# Altium PCB Audio-Beamformer_V1.0.PcbDoc (part 5 of 11) (continued)
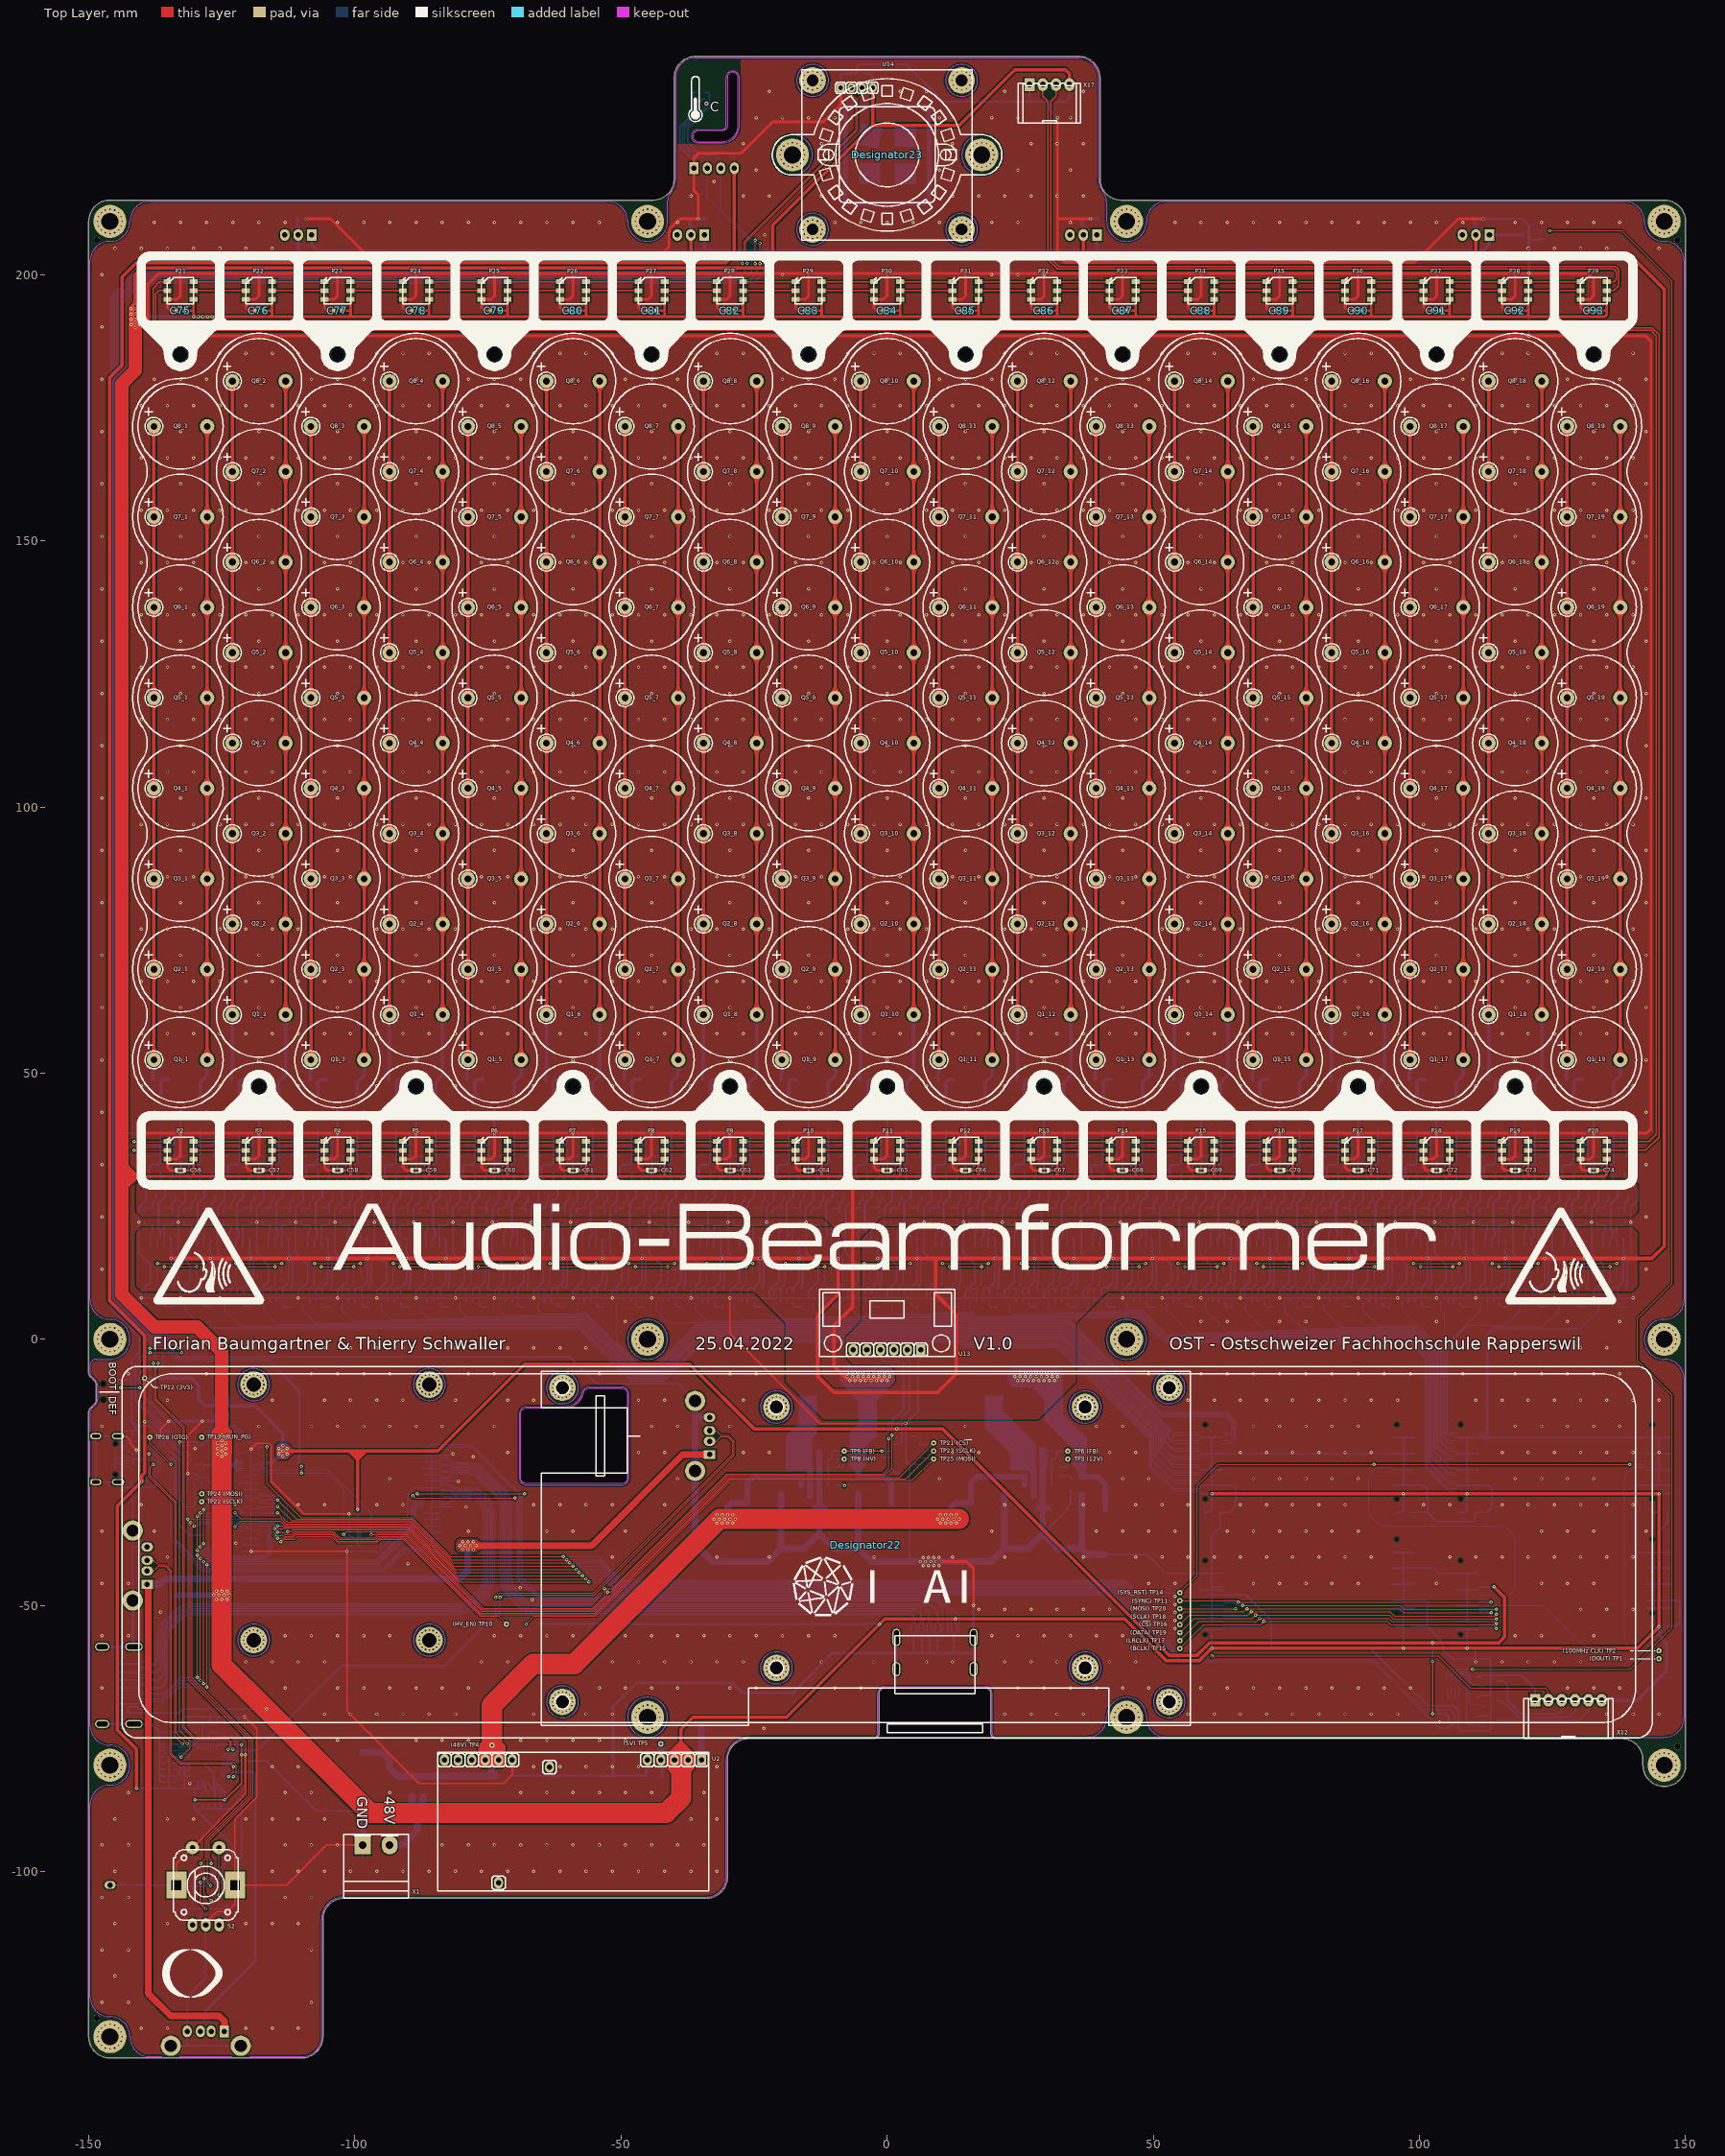
[diagram p0: Top Layer view]
## Nets (pads, with @x,y where several pads share a name; then routed paths per layer and width w, separated by ;. In a path a pad name is that pad's centre, name@x,y a point inside that pad or via, vN(x,y) a via of type N, cw(c..) or ccw(c..) an arc to the next point about the centre after c; other vN are vias at no path point) (continued)
  Bottom Layer w0.254: TP7.1@-146,-102.5 S2.6@-133.5,-102.5 -133.238,-102.762 C46.1@-130.5,-102.762 ; S1.3@-145.5,-7.6 -142,-7.6 ; -144.48,-68.5 X7.17@-140.74,-68.5 ; -144.48,-65.5 X7.11@-140.74,-65.5 ; -144.48,-64 X7.8@-140.74,-64 ; -144.48,-62.5 X7.5@-140.74,-62.5 ; -144.48,-61 X7.2@-140.74,-61 ; X8.A1B12@-143.8,-25.7 -144.085,-25.7 -144.258,-25.873 -144.258,-26.608 X8.G2@-144.47,-26.82 ; X8.B1A12@-143.8,-19.3 -144.085,-19.3 -144.258,-19.127 -144.258,-18.392 X8.G4@-144.47,-18.18 ; -141.8,-27.8 -137.9,-27.8 -137.538,-27.438 C33.1@-137.538,-26.7 -137.538,-25.962 -138,-25.5 U8.9@-138,-24.9 ; -141.8,-27.738 -141.862,-27.8 -143,-27.8 -143.98,-26.82 X8.G2@-144.47,-26.82 ; R27.2@-141.8,-18.438 -141.8,-17.262 R25.2@-141.862,-17.2 ; X7.SHD@-141.5,-72.25 -138.25,-72.25 -136.7,-73.8 -136.7,-76 ; D14.2@-141,-21.55 v1(-141,-20.8) ; -140.125,42.5 v1(-140.125,38.75) ; D13_1.A@-138.65,34.37 -140.125,34.37 ; U7_1.4@-138.349,12.044 -138.349,10.801 -140.125,9.025 v1(-140.125,7.75) ; U7_1.4@-138.342,12.051 -138.342,13.98 -140.561,16.199 -140.561,24.695 -139.231,26.025 -139.231,27.844 -140.125,28.738 -140.125,34.37 ; R22_1.1@-138.025,6.988 -138.025,7.731 ; C30_1.1@-136.825,6.988 -136.825,7.731 ; -136.7,-82 C39.1@-135.662,-82 ; -136.7,-80.8 R30.1@-135.662,-80.8 ; -136.7,-79.6 R28.1@-135.662,-79.6 ; -136.7,-78.4 C36.1@-135.662,-78.4 ; -136.7,-77.2 R29.1@-135.662,-77.2 ; -136.7,-73.762 -132.5,-73.762 ; U8.5@-136.5,-20.1 v1@-136.5,-18.5 ; v1(-136.5,-18.4) -138.6,-16.3 -141.1,-16.3 ; R31.1@-135.662,-83.2 -136.4,-83.2 -136.7,-82.9 -136.7,-76 ; C38.1@-135.662,-76 -136.7,-76 ; v1(-135,-15.4) -139.5,-10.9 -139.5,-8.9 -140.5,-7.9 -140.5,-6.6 -139.4,-5.5 -136.7,-5.5 -136.1,-4.9 -136.1,-2 -144.7,6.6 -144.7,195.3 -140.5,199.5 -26.6,199.5 -25.5,200.6 -25.5,202.8 ; X10.4@-134.57,-132.72 -131.5,-132.72 ; C29_1.1@-134.225,34.274 C29_1.1@-134.129,34.37 ; C32_1.2@-133.856,35.738 -133.856,34.643 C29_1.1@-134.129,34.37 ; v1@-132.75,42.5 v1(-132.75,38.75) -132.75,34.37 ; D8_1.A@-131.275,34.37 -132.75,34.37 ; R21_1.1@-130.65,6.988 -130.65,7.75 ; S2.5@-130.5,-95.5 -130.5,-97.1 -130.1,-97.5 C49.1@-128.762,-97.5 ; Q9.3@-129.65,-73.95 -129.838,-73.762 C44.2@-131.2,-73.762 -132.5,-73.762 ; C26_1.1@-129.45,6.988 -129.45,7.731 ; C48.1@-129,-107.762 -129,-108.8 S2.2@-128,-109.8 ; -128.975,-104.4 -130,-104.4 -130.5,-103.9 C46.1@-130.5,-102.762 ; C41.1@-128.65,-87.262 -128.7,-87.312 -128.7,-87.9 -128.4,-88.2 -127.4,-88.2 ; U9.PAD@-128,-80 -126.5,-81.5 U9.11@-126.5,-82.9 -126.5,-83.8 -125.2,-85.1 -125.2,-88.2 ; C40.1@-127.4,-87.262 -127.4,-88.2 ; Q9.3@-127.25,-72.05 -127.25,-70.95 -127.2,-70.9 ; C47.1@-127,-107.762 -127,-108.8 S2.2@-128,-109.8 ; C25_1.1@-126.85,34.274 C25_1.1@-126.754,34.37 ; C28_1.2@-126.481,35.738 -126.481,34.643 C25_1.1@-126.754,34.37 ; -126.2,-88.2 C34.1@-126.2,-87.262 ; C45.2@-125.7,-72.238 -125.7,-70.9 ; -125.375,42.5 -125.375,34.37 ; C43.1@-124.45,-72.238 -124.45,-70.9 ; D13_2.A@-123.9,34.37 -125.375,34.37 ; U7_2.4@-123.599,12.044 -123.599,10.801 -125.375,9.025 v1(-125.375,7.75) ; U7_2.4@-123.592,12.051 -123.592,13.98 -125.811,16.199 -125.811,24.695 -124.481,26.025 -124.481,27.844 -125.375,28.738 -125.375,34.37 ; R22_2.1@-123.275,6.988 -123.275,7.731 ; C42.1@-123.2,-72.238 -123.2,-70.9 ; C30_2.1@-122.075,6.988 -122.075,7.731 ; R32.1@-121.95,-72.238 -121.95,-70.9 ; X10.4@-121.43,-132.72 -131.5,-132.72 ; D15.2@-121.25,-82.2 -121.25,-88.2 ; C35.1@-120.7,-72.238 v1(-120.7,-70.9) -125.7,-70.9 ; v1(-120.538,-78) C37.1@-120.538,-79.2 -116.6,-79.2 -107.26,-88.54 C4.M@-98.54,-88.54 ; C29_2.1@-119.475,34.274 C29_2.1@-119.379,34.37 ; C32_2.2@-119.106,35.738 -119.106,34.643 C29_2.1@-119.379,34.37 ; v1@-118,42.5 v1(-118,38.75) -118,34.37 ; D8_2.A@-116.525,34.37 -118,34.37 ; R21_2.1@-115.9,6.988 -115.9,7.75 ; C26_2.1@-114.7,6.988 -114.7,7.731 ; C25_2.1@-112.1,34.274 C25_2.1@-112.004,34.37 ; C28_2.2@-111.731,35.738 -111.731,34.643 C25_2.1@-112.004,34.37 ; -110.625,42.5 -110.625,34.37 ; D13_3.A@-109.15,34.37 -110.625,34.37 ; U7_3.4@-108.849,12.044 -108.849,10.801 -110.625,9.025 v1(-110.625,7.75) ; U7_3.4@-108.842,12.051 -108.842,13.98 -111.061,16.199 -111.061,24.695 -109.731,26.025 -109.731,27.844 -110.625,28.738 -110.625,34.37 ; R22_3.1@-108.525,6.988 -108.525,7.731 ; C30_3.1@-107.325,6.988 -107.325,7.731 ; C29_3.1@-104.725,34.274 C29_3.1@-104.629,34.37 ; C32_3.2@-104.356,35.738 -104.356,34.643 C29_3.1@-104.629,34.37 ; v1@-103.25,42.5 v1(-103.25,38.75) -103.25,34.37 ; D8_3.A@-101.775,34.37 -103.25,34.37 ; R21_3.1@-101.15,6.988 -101.15,7.75 ; v1(-101.1,-32.8) -101.1,-36.8 -100.9,-37 U16.2@-100.24,-37 ; C26_3.1@-99.95,6.988 -99.95,7.731 ; C25_3.1@-97.35,34.274 C25_3.1@-97.254,34.37 ; C28_3.2@-96.981,35.738 -96.981,34.643 C25_3.1@-97.254,34.37 ; -95.875,42.5 -95.875,34.37 ; D13_4.A@-94.4,34.37 -95.875,34.37 ; U7_4.4@-94.099,12.044 -94.099,10.801 -95.875,9.025 v1(-95.875,7.75) ; U7_4.4@-94.092,12.051 -94.092,13.98 -96.311,16.199 -96.311,24.695 -94.981,26.025 -94.981,27.844 -95.875,28.738 -95.875,34.37 ; R22_4.1@-93.775,6.988 -93.775,7.731 ; C30_4.1@-92.575,6.988 -92.575,7.731 ; C29_4.1@-89.975,34.274 C29_4.1@-89.879,34.37 ; C32_4.2@-89.606,35.738 -89.606,34.643 C29_4.1@-89.879,34.37 ; v1@-88.5,42.5 v1(-88.5,38.75) -88.5,34.37 ; D8_4.A@-87.025,34.37 -88.5,34.37 ; R21_4.1@-86.4,6.988 -86.4,7.75 ; C26_4.1@-85.2,6.988 -85.2,7.731 ; C25_4.1@-82.6,34.274 C25_4.1@-82.504,34.37 ; C28_4.2@-82.231,35.738 -82.231,34.643 C25_4.1@-82.504,34.37 ; -81.125,42.5 -81.125,34.37 ; D13_5.A@-79.65,34.37 -81.125,34.37 ; U7_5.4@-79.349,12.044 -79.349,10.801 -81.125,9.025 v1(-81.125,7.75) ; U7_5.4@-79.342,12.051 -79.342,13.98 -81.561,16.199 -81.561,24.695 -80.231,26.025 -80.231,27.844 -81.125,28.738 -81.125,34.37 ; R22_5.1@-79.025,6.988 -79.025,7.731 ; C30_5.1@-77.825,6.988 -77.825,7.731 ; C29_5.1@-75.225,34.274 C29_5.1@-75.129,34.37 ; C32_5.2@-74.856,35.738 -74.856,34.643 C29_5.1@-75.129,34.37 ; v1@-73.75,42.5 v1(-73.75,38.75) -73.75,34.37 ; D8_5.A@-72.275,34.37 -73.75,34.37 ; R21_5.1@-71.65,6.988 -71.65,7.75 ; C26_5.1@-70.45,6.988 -70.45,7.731 ; C25_5.1@-67.85,34.274 C25_5.1@-67.754,34.37 ; C28_5.2@-67.481,35.738 -67.481,34.643 C25_5.1@-67.754,34.37 ; -66.375,42.5 -66.375,34.37 ; D13_6.A@-64.9,34.37 -66.375,34.37 ; U7_6.4@-64.599,12.044 -64.599,10.801 -66.375,9.025 ; U7_6.4@-64.592,12.051 -64.592,13.98 -66.811,16.199 -66.811,24.695 -65.481,26.025 -65.481,27.844 -66.375,28.738 -66.375,34.37 ; R22_6.1@-64.275,6.988 -64.275,7.731 ; C30_6.1@-63.075,6.988 -63.075,7.731 ; C29_6.1@-60.475,34.274 C29_6.1@-60.379,34.37 ; C32_6.2@-60.106,35.738 -60.106,34.643 C29_6.1@-60.379,34.37 ; v1@-59,42.5 v1(-59,38.75) -59,34.37 ; D8_6.A@-57.525,34.37 -59,34.37 ; R21_6.1@-56.9,6.988 -56.9,7.75 ; C26_6.1@-55.7,6.988 -55.7,7.731 ; C25_6.1@-53.1,34.274 C25_6.1@-53.004,34.37 ; C28_6.2@-52.731,35.738 -52.731,34.643 C25_6.1@-53.004,34.37 ; -51.625,42.5 -51.625,34.37 ; D13_7.A@-50.15,34.37 -51.625,34.37 ; U7_7.4@-49.849,12.044 -49.849,10.801 -51.625,9.025 v1(-51.625,7.75) ; U7_7.4@-49.842,12.051 -49.842,13.98 -52.061,16.199 -52.061,24.695 -50.731,26.025 -50.731,27.844 -51.625,28.738 -51.625,34.37 ; R22_7.1@-49.525,6.988 -49.525,7.731 ; C30_7.1@-48.325,6.988 -48.325,7.731 ; C29_7.1@-45.725,34.274 C29_7.1@-45.629,34.37 ; C32_7.2@-45.356,35.738 -45.356,34.643 C29_7.1@-45.629,34.37 ; v1@-44.25,42.5 v1(-44.25,38.75) -44.25,34.37 ; D8_7.A@-42.775,34.37 -44.25,34.37 ; R21_7.1@-42.15,6.988 -42.15,7.75 ; C26_7.1@-40.95,6.988 -40.95,7.731 ; C25_7.1@-38.35,34.274 C25_7.1@-38.254,34.37 ; C28_7.2@-37.981,35.738 -37.981,34.643 C25_7.1@-38.254,34.37 ; -36.875,42.5 -36.875,34.37 ; X18.1@-36.31,220 -36.31,221.41 -38.9,224 -38.9,227.8 -36.6,230.1 -36.6,232.5 ; X9.4@-36.07,-11.58 -39.25,-8.4 -54.5,-8.4 -59.6,-3.3 -131.8,-3.3 ; C97.1@-35.762,234.25 -36.45,234.25 -36.6,234.1 -36.6,232.5 ; D13_8.A@-35.4,34.37 -36.875,34.37 ; U7_8.4@-35.099,12.044 -35.099,10.801 -36.875,9.025 ; U7_8.4@-35.092,12.051 -35.092,13.98 -37.311,16.199 -37.311,24.695 -35.981,26.025 -35.981,27.844 -36.875,28.738 -36.875,34.37 ; R22_8.1@-34.775,6.988 -34.775,7.731 ; U15.4@-34.26,233 -34.75,233 -35.25,232.5 U15.2@-35.74,232.5 -36.6,232.5 ; C30_8.1@-33.575,6.988 -33.575,7.731 ; C29_8.1@-30.975,34.274 C29_8.1@-30.879,34.37 ; C32_8.2@-30.606,35.738 -30.606,34.643 C29_8.1@-30.879,34.37 ; v1@-29.5,42.5 v1(-29.5,38.75) -29.5,34.37 ; D8_8.A@-28.025,34.37 -29.5,34.37 ; R21_8.1@-27.4,6.988 -27.4,7.75 ; C26_8.1@-26.2,6.988 -26.2,7.731 ; C25_8.1@-23.6,34.274 C25_8.1@-23.504,34.37 ; C28_8.2@-23.231,35.738 -23.231,34.643 C25_8.1@-23.504,34.37 ; -22.125,42.5 -22.125,34.37 ; D13_9.A@-20.65,34.37 -22.125,34.37 ; U7_9.4@-20.349,12.044 -20.349,10.801 -22.125,9.025 -22.125,7.75 ; U7_9.4@-20.342,12.051 -20.342,13.98 -22.561,16.199 -22.561,24.695 -21.231,26.025 -21.231,27.844 -22.125,28.738 -22.125,34.37 ; R22_9.1@-20.025,6.988 -20.025,7.731 ; C30_9.1@-18.825,6.988 -18.825,7.731 ; C29_9.1@-16.225,34.274 C29_9.1@-16.129,34.37 ; C32_9.2@-15.856,35.738 -15.856,34.643 C29_9.1@-16.129,34.37 ; v1@-14.75,42.5 v1(-14.75,38.75) -14.75,34.37 ; D8_9.A@-13.275,34.37 -14.75,34.37 ; D3.A@-12.75,-21.165 D3.A@-12.695,-21.11 D3.A@-12.585,-21 ; R21_9.1@-12.65,6.988 -12.65,7.75 ; C26_9.1@-11.45,6.988 -11.45,7.731 ; C25_9.1@-8.85,34.274 C25_9.1@-8.754,34.37 ; C28_9.2@-8.481,35.738 -8.481,34.643 C25_9.1@-8.754,34.37 ; -7.375,42.5 -7.375,34.37 ; D13_10.A@-5.9,34.37 -7.375,34.37 ; U7_10.4@-5.599,12.044 -5.599,10.801 -7.375,9.025 -7.375,7.75 ; U7_10.4@-5.592,12.051 -5.592,13.98 -7.811,16.199 -7.811,24.695 -6.481,26.025 -6.481,27.844 -7.375,28.738 -7.375,34.37 ; R22_10.1@-5.275,6.988 -5.275,7.731 ; C30_10.1@-4.075,6.988 -4.075,7.731 ; C29_10.1@-1.475,34.274 C29_10.1@-1.379,34.37 ; C32_10.2@-1.106,35.738 -1.106,34.643 C29_10.1@-1.379,34.37 ; v1@0,42.5 v1(0,38.75) 0,34.37 ; D8_10.A@1.475,34.37 0,34.37 ; R21_10.1@2.1,6.988 2.1,7.75 ; C26_10.1@3.3,6.988 3.3,7.731 ; C15.1@4.262,-16.8 3.5,-16.8 ; 4.3,-41.75 4.262,-41.712 R8.2@4.262,-25.1 4.262,-23.467 3.5,-22.705 3.5,-16.8 ; 4.3,-23.505 U4.4@6.2,-23.505 ; 5,-58.98 X6.2@5,-55.24 ; C25_10.1@5.9,34.274 C25_10.1@5.996,34.37 ; C28_10.2@6.269,35.738 6.269,34.643 C25_10.1@5.996,34.37 ; U13.1@6.35,-2 6.35,-3.35 6.018,-3.682 5.952,-3.682 5.762,-3.873 C95.1@5.762,-4 5.762,-13.538 v1(3.5,-15.8) 3.5,-16.8 ; 6.5,-58.98 X6.5@6.5,-55.24 ; 7.375,42.5 7.375,34.37 ; 8,-58.98 X6.8@8,-55.24 ; D13_11.A@8.85,34.37 7.375,34.37 ; U7_11.4@9.151,12.044 9.151,10.801 7.375,9.025 7.375,7.75 ; U7_11.4@9.158,12.051 9.158,13.98 6.939,16.199 6.939,24.695 8.269,26.025 8.269,27.844 7.375,28.738 7.375,34.37 ; R22_11.1@9.475,6.988 9.475,7.731 ; 9.5,-58.98 X6.11@9.5,-55.24 ; C30_11.1@10.675,6.988 10.675,7.731 ; 12.5,-58.98 X6.17@12.5,-55.24 ; C29_11.1@13.275,34.274 C29_11.1@13.371,34.37 ; C32_11.2@13.644,35.738 13.644,34.643 C29_11.1@13.371,34.37 ; v1@14.75,42.5 v1(14.75,38.75) 14.75,34.37 ; D8_11.A@16.225,34.37 14.75,34.37 ; R21_11.1@16.85,6.988 16.85,7.75 ; C26_11.1@18.05,6.988 18.05,7.731 ; C25_11.1@20.65,34.274 C25_11.1@20.746,34.37 ; C28_11.2@21.019,35.738 21.019,34.643 C25_11.1@20.746,34.37 ; 22.125,42.5 22.125,34.37 ; D13_12.A@23.6,34.37 22.125,34.37 ; U7_12.4@23.901,12.044 23.901,10.801 22.125,9.025 22.125,7.75 ; U7_12.4@23.908,12.051 23.908,13.98 21.689,16.199 21.689,24.695 23.019,26.025 23.019,27.844 22.125,28.738 22.125,34.37 ; R22_12.1@24.225,6.988 24.225,7.731 ; C30_12.1@25.425,6.988 25.425,7.731 ; C29_12.1@28.025,34.274 C29_12.1@28.121,34.37 ; C32_12.2@28.394,35.738 28.394,34.643 C29_12.1@28.121,34.37 ; D2.A@29.25,-21.165 29.415,-21 R4.2@30.938,-21 ; v1@29.5,42.5 v1(29.5,38.75) 29.5,34.37 ; D8_12.A@30.975,34.37 29.5,34.37 ; R21_12.1@31.6,6.988 31.6,7.75 ; C26_12.1@32.8,6.988 32.8,7.731 ; C25_12.1@35.4,34.274 C25_12.1@35.496,34.37 ; C28_12.2@35.769,35.738 35.769,34.643 C25_12.1@35.496,34.37 ; 36.875,42.5 36.875,34.37 ; D13_13.A@38.35,34.37 36.875,34.37 ; U7_13.4@38.651,12.044 38.651,10.801 36.875,9.025 ; U7_13.4@38.658,12.051 38.658,13.98 36.439,16.199 36.439,24.695 37.769,26.025 37.769,27.844 36.875,28.738 36.875,34.37 ; R22_13.1@38.975,6.988 38.975,7.731 ; C30_13.1@40.175,6.988 40.175,7.731 ; C29_13.1@42.775,34.274 C29_13.1@42.871,34.37 ; C32_13.2@43.144,35.738 43.144,34.643 C29_13.1@42.871,34.37 ; v1@44.25,42.5 v1(44.25,38.75) 44.25,34.37 ; D8_13.A@45.725,34.37 44.25,34.37 ; R21_13.1@46.35,6.988 46.35,7.75 ; C26_13.1@47.55,6.988 47.55,7.731 ; C25_13.1@50.15,34.274 C25_13.1@50.246,34.37 ; C28_13.2@50.519,35.738 50.519,34.643 C25_13.1@50.246,34.37 ; 51.625,42.5 51.625,34.37 ; D13_14.A@53.1,34.37 51.625,34.37 ; U7_14.4@53.401,12.044 53.401,10.801 51.625,9.025 v1(51.625,7.75) ; U7_14.4@53.408,12.051 53.408,13.98 51.189,16.199 51.189,24.695 52.519,26.025 52.519,27.844 51.625,28.738 51.625,34.37 ; R22_14.1@53.725,6.988 53.725,7.731 ; C30_14.1@54.925,6.988 54.925,7.731 ; C29_14.1@57.525,34.274 C29_14.1@57.621,34.37 ; C32_14.2@57.894,35.738 57.894,34.643 C29_14.1@57.621,34.37 ; v1@59,42.5 v1(59,38.75) 59,34.37 ; D8_14.A@60.475,34.37 59,34.37 ; R21_14.1@61.1,6.988 61.1,7.75 ; C26_14.1@62.3,6.988 62.3,7.731 ; C25_14.1@64.9,34.274 C25_14.1@64.996,34.37 ; C28_14.2@65.269,35.738 65.269,34.643 C25_14.1@64.996,34.37 ; 66.375,42.5 66.375,34.37 ; D13_15.A@67.85,34.37 66.375,34.37 ; U7_15.4@68.151,12.044 68.151,10.801 66.375,9.025 ; U7_15.4@68.158,12.051 68.158,13.98 65.939,16.199 65.939,24.695 67.269,26.025 67.269,27.844 66.375,28.738 66.375,34.37 ; R22_15.1@68.475,6.988 68.475,7.731 ; C30_15.1@69.675,6.988 69.675,7.731 ; C29_15.1@72.275,34.274 C29_15.1@72.371,34.37 ; C32_15.2@72.644,35.738 72.644,34.643 C29_15.1@72.371,34.37 ; v1@73.75,42.5 v1(73.75,38.75) 73.75,34.37 ; D8_15.A@75.225,34.37 73.75,34.37 ; R21_15.1@75.85,6.988 75.85,7.75 ; C26_15.1@77.05,6.988 77.05,7.731 ; C25_15.1@79.65,34.274 C25_15.1@79.746,34.37 ; C28_15.2@80.019,35.738 80.019,34.643 C25_15.1@79.746,34.37 ; 81.125,42.5 81.125,34.37 ; D13_16.A@82.6,34.37 81.125,34.37 ; U7_16.4@82.901,12.044 82.901,10.801 81.125,9.025 v1(81.125,7.75) ; U7_16.4@82.908,12.051 82.908,13.98 80.689,16.199 80.689,24.695 82.019,26.025 82.019,27.844 81.125,28.738 81.125,34.37 ; R22_16.1@83.225,6.988 83.225,7.731 ; C30_16.1@84.425,6.988 84.425,7.731 ; C29_16.1@87.025,34.274 C29_16.1@87.121,34.37 ; C32_16.2@87.394,35.738 87.394,34.643 C29_16.1@87.121,34.37 ; v1@88.5,42.5 v1(88.5,38.75) 88.5,34.37 ; D8_16.A@89.975,34.37 88.5,34.37 ; R21_16.1@90.6,6.988 90.6,7.75 ; C26_16.1@91.8,6.988 91.8,7.731 ; C25_16.1@94.4,34.274 C25_16.1@94.496,34.37 ; C28_16.2@94.769,35.738 94.769,34.643 C25_16.1@94.496,34.37 ; 95.875,42.5 95.875,34.37 ; D13_17.A@97.35,34.37 95.875,34.37 ; U7_17.4@97.651,12.044 97.651,10.801 95.875,9.025 v1(95.875,7.75) ; U7_17.4@97.658,12.051 97.658,13.98 95.439,16.199 95.439,24.695 96.769,26.025 96.769,27.844 95.875,28.738 95.875,34.37 ; R22_17.1@97.975,6.988 97.975,7.731 ; C30_17.1@99.175,6.988 99.175,7.731 ; C29_17.1@101.775,34.274 C29_17.1@101.871,34.37 ; C32_17.2@102.144,35.738 102.144,34.643 C29_17.1@101.871,34.37 ; v1@103.25,42.5 v1(103.25,38.75) 103.25,34.37 ; C50.1@103.8,-68.838 106.438,-68.838 107.375,-69.775 U11.5@107.375,-71.85 107.375,-72.975 108,-73.6 113,-73.6 113.4,-73.2 113.4,-66.9 ; D8_17.A@104.725,34.37 103.25,34.37 ; R21_17.1@105.35,6.988 105.35,7.75 ; C26_17.1@106.55,6.988 106.55,7.731 ; C25_17.1@109.15,34.274 C25_17.1@109.246,34.37 ; C28_17.2@109.519,35.738 109.519,34.643 C25_17.1@109.246,34.37 ; 110.625,42.5 110.625,34.37 ; R39.1@110.662,-70.9 111.3,-70.9 111.5,-70.7 K5.S@112.2,-70.7 113.35,-70.7 ; R40.1@110.662,-67.15 111.3,-67.15 111.5,-66.95 K6.S@112.2,-66.95 113.35,-66.95 113.4,-66.9 ; R41.1@110.662,-63.4 111.3,-63.4 111.5,-63.2 K7.S@112.2,-63.2 113.35,-63.2 ; D13_18.A@112.1,34.37 110.625,34.37 ; U7_18.4@112.401,12.044 112.401,10.801 110.625,9.025 ; U7_18.4@112.408,12.051 112.408,13.98 110.189,16.199 110.189,24.695 111.519,26.025 111.519,27.844 110.625,28.738 110.625,34.37 ; R22_18.1@112.725,6.988 112.725,7.731 ; 113.4,-60.5 113.4,-63.2 ; C30_18.1@113.925,6.988 113.925,7.731 ; C29_18.1@116.525,34.274 C29_18.1@116.621,34.37 ; C32_18.2@116.894,35.738 116.894,34.643 C29_18.1@116.621,34.37 ; v1@118,42.5 v1(118,38.75) 118,34.37 ; D8_18.A@119.475,34.37 118,34.37 ; R21_18.1@120.1,6.988 120.1,7.75 ; C26_18.1@121.3,6.988 121.3,7.731 ; X12.1@121.75,-67.8 121.75,-65.75 119.2,-63.2 113.4,-63.2 ; C25_18.1@123.9,34.274 C25_18.1@123.996,34.37 ; C28_18.2@124.269,35.738 124.269,34.643 C25_18.1@123.996,34.37 ; 125.375,42.5 125.375,34.37 ; D13_19.A@126.85,34.37 125.375,34.37 ; U7_19.4@127.151,12.044 127.151,10.801 125.375,9.025 v1(125.375,7.75) ; U7_19.4@127.158,12.051 127.158,13.98 124.939,16.199 124.939,24.695 126.269,26.025 126.269,27.844 125.375,28.738 125.375,34.37 ; R22_19.1@127.475,6.988 127.475,7.731 ; C30_19.1@128.675,6.988 128.675,7.731 ; C29_19.1@131.275,34.274 C29_19.1@131.371,34.37 ; C32_19.2@131.644,35.738 131.644,34.643 C29_19.1@131.371,34.37 ; v1@132.75,42.5 v1(132.75,38.75) 132.75,34.37 ; D8_19.A@134.225,34.37 132.75,34.37 ; R21_19.1@134.85,6.988 134.85,7.75 ; C26_19.1@136.05,6.988 136.05,7.731 ; C25_19.1@138.65,34.274 C25_19.1@138.746,34.37 ; C28_19.2@139.019,35.738 139.019,34.643 C25_19.1@138.746,34.37 ; 139.689,16.199 139.689,24.695 141.019,26.025 141.019,27.844 140.125,28.738 140.125,34.37 ; 140.125,9.025 v1(140.125,7.75) 134.85,7.75 ; 140.125,42.5 140.125,34.37 ; X8.G2@-144.47,-26.82 X8.G1@-148.65,-26.82 X8.G3@-148.65,-18.18 X8.G4@-144.47,-18.18 ; X8.G4@-144.47,-18.18 -143.98,-18.18 -143,-17.2 R25.2@-141.862,-17.2 ; -143.6,38.75 -143.6,7.3 -133,-3.3 -131.8,-3.3 ; -143.6,38.75 -143.6,194.8 -140,198.4 -28.7,198.4 -25.1,198.4 -23.2,200.3 -23.2,202.8 -25.5,202.8 ; -143.6,38.75 v1(-140.125,38.75) ; -142,-7.6 -142,-4 -140.5,-2.5 -140.5,0.6 -145.8,5.9 -145.8,195.756 -140.956,200.6 -28.6,200.6 -27.9,201.3 -27.9,202.8 -25.5,202.8 ; -142,-7.6 -142,-15.4 -141.1,-16.3 ; R25.2@-141.862,-17.2 -141.3,-17.2 -141.1,-17 -141.1,-16.3 ; v1(-140.125,7.75) -140.125,5.625 -134,-0.5 -132.5,-0.5 -131.8,-1.2 -131.8,-3.3 ; v1(-140.125,7.75) v1(-132.75,7.75) ; -140.125,34.37 v1(-140.125,38.75) ; C29_1.1@-134.129,34.37 -132.75,34.37 ; v1(-132.75,7.75) -130.65,7.75 ; v1(-132.75,7.75) -132.75,9.025 -130.974,10.801 -130.974,12.044 U6_1.4@-130.967,12.051 -130.967,13.98 -133.186,16.199 -133.186,24.695 -131.856,26.025 K2_1.S@-131.856,27.05 -131.856,27.844 -132.75,28.738 -132.75,34.37 ; -132.5,-73.762 -132.5,-71.5 -131.9,-70.9 -127.2,-70.9 ; -131.5,-132.72 X10.4@-131.5,-130.01 -131.5,-123.5 -128,-120 S2.2@-128,-110 ; -130.65,7.75 v1(-125.375,7.75) ; C46.1@-130.5,-102.762 -128.062,-102.762 -127.3,-102 -123,-102 S2.6@-122.5,-102.5 -122.5,-98.5 -121.25,-97.25 -121.25,-88.2 ; S2.2@-128,-110 S2.2@-128,-109.8 ; S2.2@-128,-110 S2.2@-128,-109.8 ; -127.4,-88.2 -125.2,-88.2 ; -127.2,-70.9 -125.7,-70.9 ; C25_1.1@-126.754,34.37 -125.375,34.37 ; v1(-125.375,7.75) v1(-118,7.75) ; -125.2,-88.2 -121.25,-88.2 ; C29_2.1@-119.379,34.37 -118,34.37 ; v1(-118,7.75) -118,9.025 -116.224,10.801 -116.224,12.044 U6_2.4@-116.217,12.051 -116.217,13.98 -118.436,16.199 -118.436,24.695 -117.106,26.025 K2_2.S@-117.106,27.05 -117.106,27.844 -118,28.738 -118,34.37 ; v1(-118,7.75) -115.9,7.75 ; -115.9,7.75 v1(-110.625,7.75) ; C25_2.1@-112.004,34.37 -110.625,34.37 ; v1(-110.625,7.75) v1(-103.25,7.75) ; C29_3.1@-104.629,34.37 -103.25,34.37 ; v1(-103.25,7.75) -101.15,7.75 ; v1(-103.25,7.75) -103.25,9.025 -101.474,10.801 -101.474,12.044 U6_3.4@-101.467,12.051 -101.467,13.98 -103.686,16.199 -103.686,24.695 -102.356,26.025 K2_3.S@-102.356,27.05 -102.356,27.844 -103.25,28.738 -103.25,34.37 ; -101.15,7.75 v1(-95.875,7.75) ; C25_3.1@-97.254,34.37 -95.875,34.37 ; v1(-95.875,7.75) v1(-88.5,7.75) ; C29_4.1@-89.879,34.37 -88.5,34.37 ; v1(-88.5,7.75) -88.5,9.025 -86.724,10.801 -86.724,12.044 U6_4.4@-86.717,12.051 -86.717,13.98 -88.936,16.199 -88.936,24.695 -87.606,26.025 K2_4.S@-87.606,27.05 -87.606,27.844 -88.5,28.738 -88.5,34.37 ; v1(-88.5,7.75) -86.4,7.75 ; -86.4,7.75 v1(-81.125,7.75) ; C25_4.1@-82.504,34.37 -81.125,34.37 ; v1(-81.125,7.75) v1(-73.75,7.75) ; C29_5.1@-75.129,34.37 -73.75,34.37 ; v1(-73.75,7.75) -71.65,7.75 ; v1(-73.75,7.75) -73.75,9.025 -71.974,10.801 -71.974,12.044 U6_5.4@-71.967,12.051 -71.967,13.98 -74.186,16.199 -74.186,24.695 -72.856,26.025 K2_5.S@-72.856,27.05 -72.856,27.844 -73.75,28.738 -73.75,34.37 ; -71.65,7.75 v1(-66.375,7.75) ; C25_5.1@-67.754,34.37 -66.375,34.37 ; v1(-66.375,7.75) -66.375,9.025 ; v1(-66.375,7.75) v1(-59,7.75) ; v1(-66.375,7.75) -66.375,9.025 ; C29_6.1@-60.379,34.37 -59,34.37 ; v1(-59,7.75) -59,9.025 -57.224,10.801 -57.224,12.044 U6_6.4@-57.217,12.051 -57.217,13.98 -59.436,16.199 -59.436,24.695 -58.106,26.025 K2_6.S@-58.106,27.05 -58.106,27.844 -59,28.738 -59,34.37 ; v1(-59,7.75) -56.9,7.75 ; -56.9,7.75 v1(-51.625,7.75) ; C25_6.1@-53.004,34.37 -51.625,34.37 ; v1(-51.625,7.75) v1(-44.25,7.75) ; C29_7.1@-45.629,34.37 -44.25,34.37 ; v1(-44.25,7.75) -42.15,7.75 ; v1(-44.25,7.75) -44.25,9.025 -42.474,10.801 -42.474,12.044 U6_7.4@-42.467,12.051 -42.467,13.98 -44.686,16.199 -44.686,24.695 -43.356,26.025 K2_7.S@-43.356,27.05 -43.356,27.844 -44.25,28.738 -44.25,34.37 ; -42.15,7.75 v1(-36.875,7.75) ; C25_7.1@-38.254,34.37 -36.875,34.37 ; v1(-36.875,7.75) -36.875,9.025 ; v1(-36.875,7.75) v1(-29.5,7.75) ; v1(-36.875,7.75) -36.875,9.025 ; C29_8.1@-30.879,34.37 -29.5,34.37 ; v1(-29.5,7.75) -29.5,9.025 -27.724,10.801 -27.724,12.044 U6_8.4@-27.717,12.051 -27.717,13.98 -29.936,16.199 -29.936,24.695 -28.606,26.025 K2_8.S@-28.606,27.05 -28.606,27.844 -29.5,28.738 -29.5,34.37 ; v1(-29.5,7.75) -27.4,7.75 ; -27.4,7.75 -22.125,7.75 ; C25_8.1@-23.504,34.37 -22.125,34.37 ; -22.125,7.75 -14.75,7.75 ; C29_9.1@-16.129,34.37 -14.75,34.37 ; -14.75,7.75 -12.65,7.75 ; -14.75,7.75 -14.75,9.025 -12.974,10.801 -12.974,12.044 U6_9.4@-12.967,12.051 -12.967,13.98 -15.186,16.199 -15.186,24.695 -13.856,26.025 K2_9.S@-13.856,27.05 -13.856,27.844 -14.75,28.738 -14.75,34.37 ; -12.65,7.75 -7.375,7.75 ; C25_9.1@-8.754,34.37 -7.375,34.37 ; -7.375,7.75 0,7.75 ; C29_10.1@-1.379,34.37 0,34.37 ; 0,7.75 2.1,7.75 ; 0,7.75 0,9.025 1.776,10.801 1.776,12.044 U6_10.4@1.783,12.051 1.783,13.98 -0.436,16.199 -0.436,24.695 0.894,26.025 K2_10.S@0.894,27.05 0.894,27.844 0,28.738 0,34.37 ; 2.1,7.75 7.375,7.75 ; C25_10.1@5.996,34.37 7.375,34.37 ; 7.375,7.75 14.75,7.75 ; C29_11.1@13.371,34.37 14.75,34.37 ; 14.75,7.75 16.85,7.75 ; 14.75,7.75 14.75,9.025 16.526,10.801 16.526,12.044 U6_11.4@16.533,12.051 16.533,13.98 14.314,16.199 14.314,24.695 15.644,26.025 K2_11.S@15.644,27.05 15.644,27.844 14.75,28.738 14.75,34.37 ; 16.85,7.75 22.125,7.75 ; C25_11.1@20.746,34.37 22.125,34.37 ; 22.125,7.75 29.5,7.75 ; C29_12.1@28.121,34.37 29.5,34.37 ; 29.5,7.75 31.6,7.75 ; 29.5,7.75 29.5,9.025 31.276,10.801 31.276,12.044 U6_12.4@31.283,12.051 31.283,13.98 29.064,16.199 29.064,24.695 30.394,26.025 K2_12.S@30.394,27.05 30.394,27.844 29.5,28.738 29.5,34.37 ; 31.6,7.75 36.875,7.75 ; C25_12.1@35.496,34.37 36.875,34.37 ; 36.875,7.75 36.875,9.025 ; 36.875,7.75 v1(44.25,7.75) ; 36.875,7.75 36.875,9.025 ; C29_13.1@42.871,34.37 44.25,34.37 ; v1(44.25,7.75) 46.35,7.75 ; v1(44.25,7.75) 44.25,9.025 46.026,10.801 46.026,12.044 U6_13.4@46.033,12.051 46.033,13.98 43.814,16.199 43.814,24.695 45.144,26.025 K2_13.S@45.144,27.05 45.144,27.844 44.25,28.738 44.25,34.37 ; 46.35,7.75 v1(51.625,7.75) ; C25_13.1@50.246,34.37 51.625,34.37 ; v1(51.625,7.75) v1(59,7.75) ; C29_14.1@57.621,34.37 59,34.37 ; v1(59,7.75) 59,9.025 60.776,10.801 60.776,12.044 U6_14.4@60.783,12.051 60.783,13.98 58.564,16.199 58.564,24.695 59.894,26.025 K2_14.S@59.894,27.05 59.894,27.844 59,28.738 59,34.37 ; v1(59,7.75) 61.1,7.75 ; 61.1,7.75 v1(66.375,7.75) ; C25_14.1@64.996,34.37 66.375,34.37 ; v1(66.375,7.75) 66.375,9.025 ; v1(66.375,7.75) v1(73.75,7.75) ; v1(66.375,7.75) 66.375,9.025 ; C29_15.1@72.371,34.37 73.75,34.37 ; v1(73.75,7.75) 73.75,9.025 75.526,10.801 75.526,12.044 U6_15.4@75.533,12.051 75.533,13.98 73.314,16.199 73.314,24.695 74.644,26.025 K2_15.S@74.644,27.05 74.644,27.844 73.75,28.738 73.75,34.37 ; v1(73.75,7.75) 75.85,7.75 ; 75.85,7.75 v1(81.125,7.75) ; C25_15.1@79.746,34.37 81.125,34.37 ; v1(81.125,7.75) v1(88.5,7.75) ; C29_16.1@87.121,34.37 88.5,34.37 ; v1(88.5,7.75) 88.5,9.025 90.276,10.801 90.276,12.044 U6_16.4@90.283,12.051 90.283,13.98 88.064,16.199 88.064,24.695 89.394,26.025 K2_16.S@89.394,27.05 89.394,27.844 88.5,28.738 88.5,34.37 ; v1(88.5,7.75) 90.6,7.75 ; 90.6,7.75 v1(95.875,7.75) ; C25_16.1@94.496,34.37 95.875,34.37 ; v1(95.875,7.75) v1(103.25,7.75) ; C29_17.1@101.871,34.37 103.25,34.37 ; v1(103.25,7.75) 105.35,7.75 ; v1(103.25,7.75) 103.25,9.025 105.026,10.801 105.026,12.044 U6_17.4@105.033,12.051 105.033,13.98 102.814,16.199 102.814,24.695 104.144,26.025 K2_17.S@104.144,27.05 104.144,27.844 103.25,28.738 103.25,34.37 ; 105.35,7.75 v1(110.625,7.75) ; C25_17.1@109.246,34.37 110.625,34.37 ; v1(110.625,7.75) 110.625,9.025 ; v1(110.625,7.75) v1(118,7.75) ; v1(110.625,7.75) 110.625,9.025 ; 113.4,-66.9 113.4,-63.2 ; C29_18.1@116.621,34.37 118,34.37 ; v1(118,7.75) 118,9.025 119.776,10.801 119.776,12.044 U6_18.4@119.783,12.051 119.783,13.98 117.564,16.199 117.564,24.695 118.894,26.025 K2_18.S@118.894,27.05 118.894,27.844 118,28.738 118,34.37 ; v1(118,7.75) 120.1,7.75 ; 120.1,7.75 v1(125.375,7.75) ; C25_18.1@123.996,34.37 125.375,34.37 ; v1(125.375,7.75) v1(132.75,7.75) ; C29_19.1@131.371,34.37 132.75,34.37 ; v1(132.75,7.75) 132.75,9.025 134.526,10.801 134.526,12.044 U6_19.4@134.533,12.051 134.533,13.98 132.314,16.199 132.314,24.695 133.644,26.025 K2_19.S@133.644,27.05 133.644,27.844 132.75,28.738 132.75,34.37 ; v1(132.75,7.75) 134.85,7.75 ; C25_19.1@138.746,34.37 140.125,34.37
  Bottom Layer w0.381: U3.3@-12.75,-36.5 U3.3@-12.611,-36.5 ; U14.1@-8.7,235.1 -8.7,237.4 -8.35,237.75 C96.1@-7.224,237.75 -5.95,237.75 -5.6,238.1 -5.6,239 -5.1,239.5 3.6,239.5 10.6,232.5 26.75,232.5 ; X17.1@26.75,235.7 26.75,232.5 ; U1.3@29.25,-36.5 29.389,-36.5 33.898,-31.991 33.898,-31.452 34.5,-30.85 R3.1@34.5,-28.112 ; v1(32,229.5) 30.5,231 30.5,232 30,232.5 C94.1@28.976,232.5 26.75,232.5 ; C54.1@113.524,210.5 119.3,210.5 120.6,209.2 120.6,206.55 ; v1(120.6,188.5) v1(120.6,200.25) 120.6,206.55 ; R42.1@123.3,206.738 122.638,206.738 122.45,206.55 K8.S@121.8,206.55 120.6,206.55
  Bottom Layer w0.508: X7.SHD@-147.46,-72.25 -144.48,-72.25 ; X7.SHD@-147.46,-57.75 -144.48,-57.75 ; X11.4@-141.72,-49.07 -141.72,-57.53 X7.SHD@-141.5,-57.75 -144.48,-57.75 ; X7.SHD@-141.5,-72.25 -144.48,-72.25 ; v1(-109.25,210.5) C51.1@-107.726,210.5 ; U2.6@-70.43,-79 -70.5,-79.07 -70.5,-80.476 -70.226,-80.75 C5.1@-70.226,-82 -51.5,-82 ; U2.5@-45.03,-79 -45,-79.03 -45,-80.5 -45.25,-80.75 -45.25,-81.976 C6.1@-45.274,-82 -51.5,-82 ; v1(-35.5,210.5) C52.1@-33.976,210.5 ; X6.SHD@1.75,-61.96 1.75,-58.98 ; X6.SHD@1.75,-56 1.75,-58.98 ; X6.SHD@16.25,-61.96 16.25,-58.98 ; v1(16.25,-50) X6.SHD@16.25,-56 16.25,-58.98 ; v1(38.25,210.5) C53.1@39.774,210.5 ; v1(112,210.5) C54.1@113.524,210.5 ; -144.48,-72.25 -144.48,-61 -144.48,-57.75 ; -51.5,-82 -51.5,-69 -47.05,-64.55 C7.M@-34.88,-64.55 -29.05,-64.55 -27.2,-66.4 -17.7,-66.4 -10.28,-58.98 1.75,-58.98 ; 1.75,-58.98 5,-58.98 16.25,-58.98
  Bottom Layer w0.635: v1(-135,-15.4) -133.3,-15.4 C18.M@-133,-15.7 -132.7,-15.4 v1(-128.7,-15.4) -126.3,-15.4 ; C20.1@-126.2,-14.024 -126.2,-15.3 -126.3,-15.4 ; C19.1@-123.8,-14.024 -123.9,-14.124 -123.9,-15.1 -124.2,-15.4 -126.3,-15.4
  Bottom Layer w1.067: U3.3@-12.75,-36.5 D3.A@-12.75,-21.165 ; U1.3@29.25,-36.5 D2.A@29.25,-21.165
  Bottom Layer w1.27: X1.1@-98.54,-95 C4.M@-98.54,-88.54 ; X9.4@-36.07,-11.58 -36.07,-14.6 X9.4@-36.07,-24.72 -36.07,-38.53 -32.85,-41.75 C13.M@-26.25,-41.75 -22.4,-41.75 -19.95,-39.3 C14.1@-19.95,-29.1 ; -36.02,-14.65 X9.4@-33.36,-14.65 ; -19.95,-39.325 U3.3@-15.575,-39.325 ; U3.3@-15.475,-39.325 U3.3@-15.575,-39.325 ; -5.45,-39.325 -9.925,-39.325 -12.75,-36.5 U3.3@-15.575,-39.325 ; C11.1@-5.45,-29.1 -5.45,-39.3 -3,-41.75 C12.M@0.75,-41.75 v1(7.25,-41.75) 7.75,-41.75 v1(8.25,-41.75) v1(9.25,-41.75) v1(10.25,-41.75) C8.M@15.75,-41.75 19.6,-41.75 22.05,-39.3 C9.1@22.05,-29.1 ; 22.05,-39.325 U1.3@26.425,-39.325 ; U1.3@26.525,-39.325 U1.3@26.425,-39.325 ; 36.55,-39.3 C2.1@36.55,-29.1 ; C3.M@41,-40.45 37.675,-40.45 36.55,-39.325 32.075,-39.325 29.25,-36.5 U1.3@26.425,-39.325